# Altium PCB SAM4N_Xplained_Pro.PcbDoc (part 2 of 3)
Units mm, origin at the board's own origin, x right, y up, seen from the top; angles counter-clockwise.
Board outline 60 x 100 mm, 4 copper layers (Top Layer LF-signals, GND, POWER, Bottom Layer LF-signals), stack 1.602 mm thick; 127 components, 136 nets, 617 pads, 312 vias.
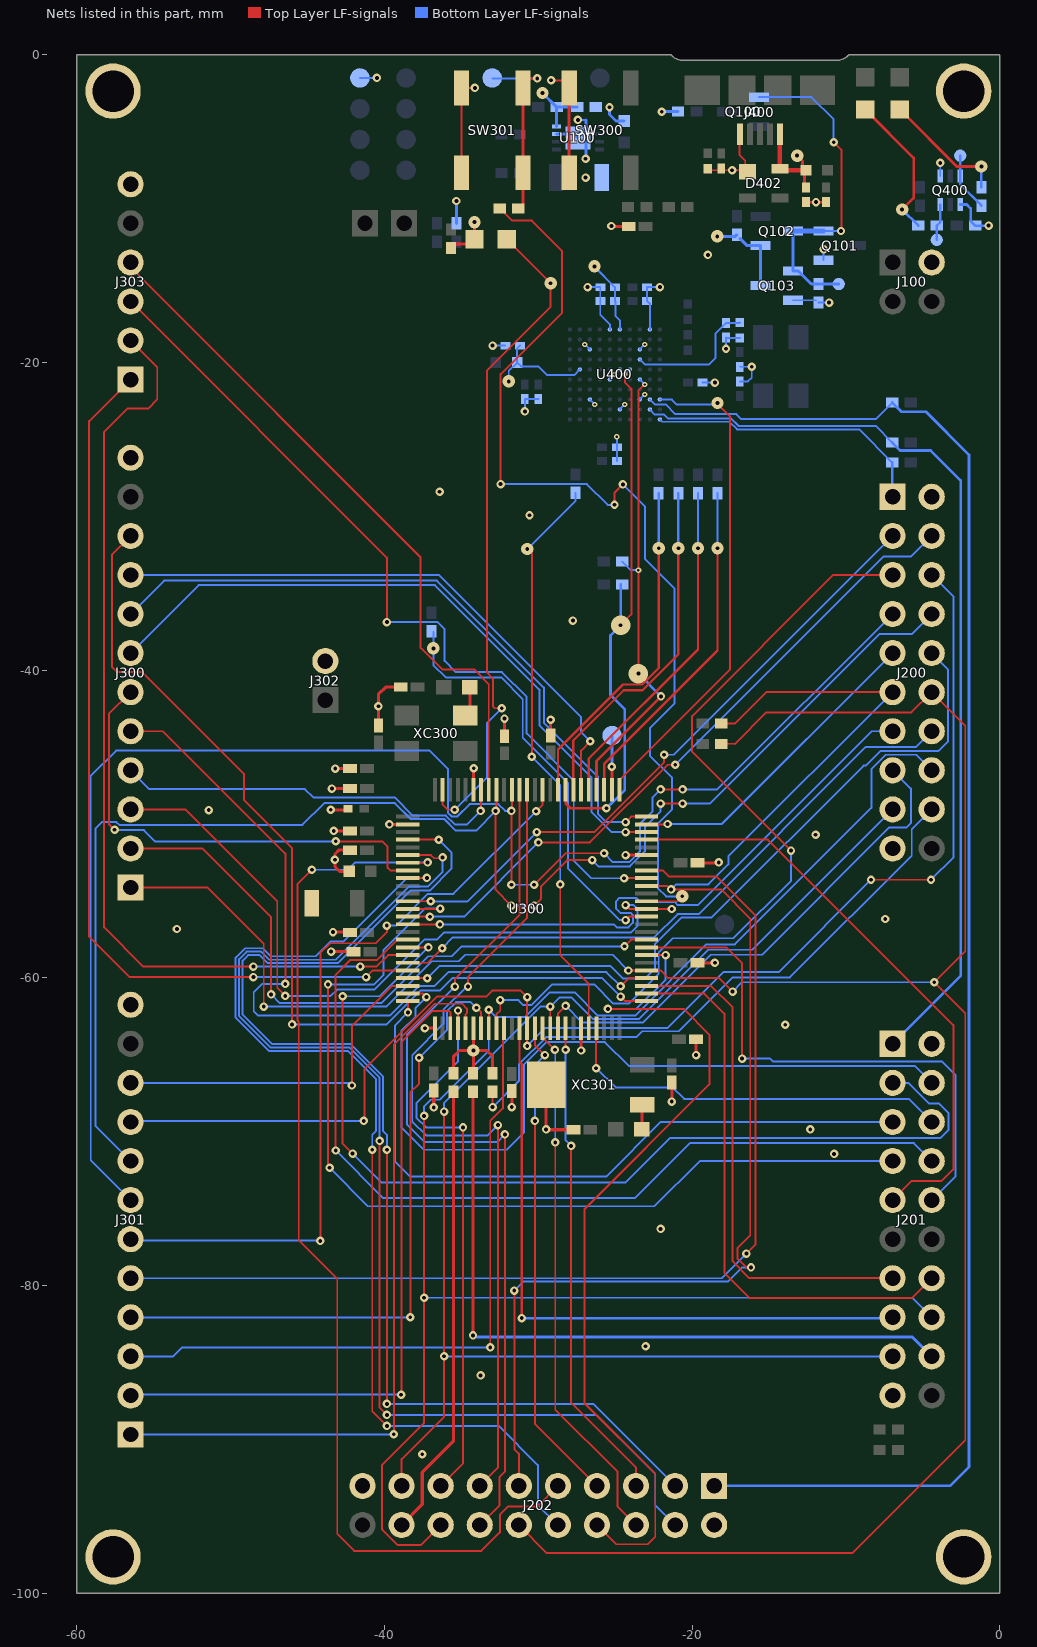
[diagram p4: the nets of this part, all layers, seen from the top]

## Via types
v1: diameter 0.55, hole 0.25, Top Layer LF-signals to Bottom Layer LF-signals, tented both sides, 201 vias
v2: diameter 0.55/0.8 (per signal layer), hole 0.25, Top Layer LF-signals to Bottom Layer LF-signals, tented top, 37 vias
v3: diameter 0.55, hole 0.25, Top Layer LF-signals to Bottom Layer LF-signals, 31 vias
v4: diameter 0.35, hole 0.15, Top Layer LF-signals to Bottom Layer LF-signals, tented both sides, 30 vias
v5: diameter 0.55, hole 0.25, Top Layer LF-signals to Bottom Layer LF-signals, tented top, 6 vias
v6: diameter 0.55/1.27 (per signal layer), hole 0.25, Top Layer LF-signals to Bottom Layer LF-signals, tented top, 3 vias
v7: diameter 0.38, hole 0.15, Top Layer LF-signals to Bottom Layer LF-signals, tented both sides, 2 vias
v8: diameter 0.35, hole 0.15, Top Layer LF-signals to Bottom Layer LF-signals, 1 vias
v9: diameter 0.38, hole 0.15, Top Layer LF-signals to Bottom Layer LF-signals, 1 vias

## Nets (pads, with @x,y where several pads share a name; then routed paths per layer and width w, separated by ;. In a path a pad name is that pad's centre, name@x,y a point inside that pad or via, vN(x,y) a via of type N, cw(c..) or ccw(c..) an arc to the next point about the centre after c; other vN are vias at no path point) (continued)
GND: C100.2 C101.2 C300.2 C301.2 C302.2 C303.2 C304.2 C305.2 C306.2 C307.2 C308.2 C309.2 C310.2 C311.2 C312.2 C313.2 C314.2 C315.2 C316.2 C321.2 C322.2 C323.2 C324.2 C400.2 C401.2 C402.2 C403.1 C404.2 C405.2 C406.2 C407.2 C408.2 C409.2 C410.2 C411.2 C412.2 C413.2 C414.2 C415.2 D402.1 J100.2@-4.43,-13.49 J200.2@-4.43,-28.73 J200.19@-6.97,-51.59 J201.2@-4.43,-64.29 J201.19@-6.97,-87.15 J202.2@-18.57,-95.57 J202.19@-41.43,-93.03 J300.12 J301.12 J302.2@-43.848,-39.41 J303.6 J400.5 pad.666 Q101.1 Q103.2 Q400.1 Q400.4 R100.1 R101.2 R104.1 R107.1 R413.1 R423.1 R424.1 SW300.1 SW300.2 SW301.1 SW301.2 TP400.1 U100.7 U100.9 U300.2 U300.26 U300.45 U300.70 U300.95 U400.B10 U400.C3 U400.C8 U400.E2 U400.E6 U400.F5 U400.F10 U400.H3 U400.H8 XC301.3 | length 90.6
  Top Layer LF-signals w0.125: SW301.1@-35,-7.65 SW301.2@-35,-2.15 v1(-34.125,-2.15) ; v1@-29.175,-1.675 -28,-1.675 SW300.2@-28,-2.15 ; R424.1@-19.025,-7.5 -17.45,-7.5 -17.401,-7.494 v1@-17.238,-7.475 ; v1(-17.4,-7.5) D402.1@-16.5,-7.5 ; J400.5@-16.914,-5.672 -16.914,-6.511 -16.55,-6.875 -16.55,-7.45 D402.1@-16.5,-7.5 ; D402.1@-16.475,-7.525 D402.1@-16.5,-7.5
  Top Layer LF-signals w0.175: C407.2@-12.6,-9.575 v1(-11.95,-9.575) C408.2@-11.3,-9.575
  Top Layer LF-signals w0.2: v1(-43.5,-49.075) -43.475,-49.1 C312.2@-42.297,-49.1 ; v1(-43.475,-58.3) C309.2@-42.025,-58.3 ; v1(-43.425,-47.7) C304.2@-42.05,-47.7 ; v1(-43.35,-57.025) C308.2@-42.248,-57.025 ; v1(-43.3,-50.45) C316.2@-42.05,-50.45 ; v1(-43.2,-46.4) C301.2@-42.05,-46.4 ; C306.2@-42.297,-53.075 -42.925,-53.075 -43.225,-52.775 v1(-43.225,-52.325) -43.225,-51.95 -42.975,-51.7 C307.2@-42.05,-51.7 ; C322.2@-40.4,-43.6 v1(-40.4,-42.35) -40.4,-41.575 -39.925,-41.1 C321.2@-38.95,-41.1 ; v1@-39.68,-50.02 U300.2@-38.48,-50.02 ; v1(-37.375,-63.275) U300.26@-36.725,-63.275 ; v1(-36.8,-68.425) C313.2@-36.8,-67.325 ; U300.95@-34.225,-47.765 -34.225,-46.4 v1(-34.2,-46.375) ; C302.2@-32.2,-44.3 v1(-32.2,-43.15) ; v1(-31.725,-68.4) C314.2@-31.725,-67.35 ; XC301.3@-29.5,-66.95 v1(-29.5,-69.85) -29.475,-69.875 C323.2@-27.725,-69.875 ; C303.2@-29.2,-44.25 v1(-29.2,-43.225) ; SW300.1@-28,-7.65 SW300.2@-28,-2.15 ; v3(-27.225,-64.725) U300.45@-27.225,-63.275 ; v1(-25.25,-11.125) -25.225,-11.15 C300.2@-24.125,-11.15 ; v1(-24.325,-52.02) U300.70@-22.97,-52.02 ; v1(-21.325,-68.05) C324.2@-21.325,-66.8 ; v1(-19.75,-65.025) C315.2@-19.75,-64 ; C311.2@-19.65,-59.025 v1(-18.525,-59.025) ; C305.2@-19.4,-52.525 -18.3,-52.525 v1(-18.275,-52.5)
  Bottom Layer LF-signals w0.125: TP400.1@-41.6,-1.5 v1(-40.5,-1.5) ; v1(-32.975,-18.9) C404.2@-32.15,-18.9 ; v1(-30.875,-23.175) C414.2@-30.875,-22.375 C413.2@-30,-22.375 ; v1(-27.425,-4.225) -26.9,-4.225 ; v4(-26.975,-18.825) U400.H8@-26.65,-19.15 ; v1(-26.8,-15.1) C405.2@-25.975,-15.1 C406.2@-25.975,-16 -25.975,-16.9 -25.35,-17.525 U400.F10@-25.35,-17.85 ; U400.H3@-26.65,-22.4 v4(-26.325,-22.725) ; U400.F5@-25.35,-21.1 v4(-25.025,-20.775) U400.E6@-24.7,-20.45 ; C415.2@-24.9,-26.4 C412.2@-24.9,-25.5 v4(-24.9,-24.825) ; U400.E2@-24.7,-23.05 v4(-24.375,-22.725) ; U400.C3@-23.4,-22.4 v4(-23.075,-22.075) ; U400.C8@-23.4,-19.15 v4(-23.075,-18.825) ; U400.B10@-22.75,-17.85 -22.75,-16.175 C410.2@-22.925,-16 C409.2@-22.925,-15.1 v1(-22.1,-15.1) ; C411.2@-19.325,-21.3 v1@-18.5,-21.3 ; v1(-17.8,-19.1) C402.2@-17.8,-18.375 -17.775,-18.4 R423.1@-16.9,-18.4 ; C400.2@-16.9,-21.225 -16.375,-21.225 -16.125,-20.975 v1(-16.125,-20.275) C401.2@-16.9,-20.275 ; Q103.2@-13.45,-15.95 R104.1@-11.95,-15.95 ; R104.1@-11.8,-16.1 v1(-11.1,-16.1) ; Q101.1@-11.45,-13.35 v1(-11.45,-12.65) ; Q400.1@-3.875,-7.875 v1@-3.875,-7.1
  Bottom Layer LF-signals w0.175: Q400.4@-2.575,-9.725 -2.15,-9.725 -1.9,-9.975 -1.9,-10.8 R413.1@-1.6,-11.1 v1(-0.725,-11.1)
  Bottom Layer LF-signals w0.2: R107.1@-35.325,-10.95 v1(-35.325,-9.5) ; U100.7@-28.825,-5.15 -27.675,-5.15 U100.9@-27.425,-5.4 ; v1@-26.9,-6.725 -26.9,-4.225 ; v1(-25.375,-3.4) -25.375,-3.875 -24.948,-4.302 C101.2@-24.425,-4.302 ; v1(-21.975,-3.7) -21.95,-3.675 R100.1@-20.925,-3.675
  other v1: -37.55,-90.975 -33.75,-85.85 -23.025,-83.95 -22.05,-76.325 -10.775,-71.45 -12.325,-69.85 -13.95,-63.05 -53.5,-56.825 -7.45,-56.175 -11.975,-50.7 -39.685,-50.025 -51.425,-49.1 -27.75,-36.775 -30.575,-29.925 -36.425,-28.4 -18.525,-21.3 -18.975,-13 -26.925,-7.975 -3.875,-7.025 -26.925,-6.75 -29.175,-1.65
ID1: J200.1@-6.97,-28.73 R409.1 U400.A1 | length 18.5
  Bottom Layer LF-signals w0.125: U400.A1@-22.1,-23.7 -21.95,-23.85 -17.582,-23.85 -17.082,-24.35 -9.15,-24.35 R409.1@-7,-26.5
  Bottom Layer LF-signals w0.175: R409.1@-7,-26.5 -7,-28.7 J200.1@-6.97,-28.73
ID2: J201.1@-6.97,-64.29 R402.1 U400.B2 | length 60.6
  Bottom Layer LF-signals w0.125: U400.B2@-22.75,-23.05 -22.42,-23.38 -21.82,-23.38 -21.575,-23.625 -17.489,-23.625 -16.989,-24.125 -8.075,-24.125 R402.1@-7,-25.2 ; J201.1@-6.978,-64.29 J201.1@-6.974,-64.286
  Bottom Layer LF-signals w0.175: R402.1@-7,-25.2 -6.475,-25.725 -4.5,-25.725 -2.55,-27.675 -2.55,-59.87 J201.1@-6.97,-64.29
ID3: J202.1@-18.57,-93.03 R401.1 U400.B3 | length 106
  Bottom Layer LF-signals w0.125: U400.B3@-22.75,-22.4 -22.425,-22.725 -21.725,-22.725 -21.1,-23.35 -17.125,-23.35 -16.8,-23.675 -8.075,-23.675 R401.1@-7,-22.6
  Bottom Layer LF-signals w0.175: J202.1@-18.57,-93.03 -3.23,-93.03 -2,-91.8 -2,-26 -4.8,-23.2 -6.4,-23.2 R401.1@-7,-22.6
INPUT_VOLTAGE_DETECTED: pad.3@-10.475,-14.9 Q100.1 Q101.2 Q102.3 Q103.1 R104.2 | length 22
  Top Layer LF-signals w0.125: v1(-10.8,-5.675) -10.3,-6.175 -10.3,-11.425 v1@-10.475,-11.425
  Bottom Layer LF-signals w0.125: Q100.1@-15.644,-2.75 -12.25,-2.75 -10.8,-4.2 v1(-10.8,-5.675) ; Q101.2@-11.45,-11.45 -10.5,-11.45 v1@-10.475,-11.425
  Bottom Layer LF-signals w0.175: R104.2@-11.8,-14.9 pad.3@-10.475,-14.9
  Bottom Layer LF-signals w0.2: Q102.3@-13.45,-11.45 Q103.1@-13.45,-14.05 -13.1,-14.05 -12.25,-14.9 R104.2@-11.8,-14.9
  Bottom Layer LF-signals w0.3: Q102.3@-13.45,-11.45 Q101.2@-11.45,-11.45
  other v1: -10.325,-11.45
JTAGSEL: TP302.1 U300.77 | length 3.5
  Top Layer LF-signals w0.2: U300.77@-25.225,-47.765 v5(-25.225,-46.275)
  Bottom Layer LF-signals w0.2: v5(-25.225,-46.275) -25.225,-44.275 TP302.1@-25.2,-44.25
NetC402_1: C402.1 R423.2 U400.C7 | length 8.7
  Bottom Layer LF-signals w0.125: U400.C7@-23.4,-19.8 -23.075,-20.125 -18.9,-20.125 -18.475,-19.7 -18.475,-18.1 C402.1@-17.8,-17.425 -16.925,-17.425 R423.2@-16.9,-17.4
NetC404_1: C404.1 L402.2 U400.J6 | length 7.2
  Bottom Layer LF-signals w0.125: v2(-31.925,-21.225) -31.925,-20.55 L402.2@-31.375,-20 ; C404.1@-31.2,-18.9 -31.375,-19.075 L402.2@-31.375,-20 ; U400.J6@-27.3,-20.45 -27.648,-20.797 -29.452,-20.797 -30,-20.25 -31.125,-20.25 L402.2@-31.375,-20
NetC405_1: C405.1 C406.1 U400.E10 | length 4.8
  Bottom Layer LF-signals w0.125: v2(-26.35,-13.75) -26.35,-13.775 C405.1@-25.025,-15.1 C406.1@-25.025,-16 -24.987,-16.038 -24.987,-16.963 -24.7,-17.25 U400.E10@-24.7,-17.85
NetC407_1: C407.1 D402.4 J400.1 L401.1 | length 5.8
  Top Layer LF-signals w0.2: D402.4@-14.314,-7.386 D402.4@-14.3,-7.4 D402.4@-14.2,-7.5 ; v2(-13.175,-6.55) -12.825,-6.9 -12.825,-7.375 L401.1@-12.7,-7.5 ; C407.1@-12.7,-8.725 L401.1@-12.7,-7.5 ; L401.1@-12.6,-7.5 L401.1@-12.7,-7.5
  Top Layer LF-signals w0.3: D402.4@-14.314,-7.386 J400.1@-14.314,-5.672 ; D402.4@-14.2,-7.5 L401.1@-12.7,-7.5
NetD301_2: D301.2 R302.1 | length 2.9
  Top Layer LF-signals w0.2: R302.1@-35.675,-12.55 -35.425,-12.3 -34.45,-12.3 D301.2@-34.15,-12 v2(-34.15,-10.875)
NetD400_1: D400.1 R411.2 | length 9.6
  Top Layer LF-signals w0.175: D400.1@-8.75,-3.55 -5.6,-6.7 -5.6,-9.3 v2(-6.35,-10.05)
  Bottom Layer LF-signals w0.175: v2(-6.35,-10.05) R411.2@-5.3,-11.1
NetD401_1: D401.1 R412.2 | length 8.2
  Top Layer LF-signals w0.175: D401.1@-6.5,-3.55 -2.8,-7.25 v2(-1.2,-7.25)
  Bottom Layer LF-signals w0.175: R412.2@-1.2,-8.6 v2(-1.2,-7.25)
NetJ306_2: J306.2 XC300.1 | length 2
  Top Layer LF-signals w0.2: XC300.1@-34.75,-42.95 -34.45,-42.65 J306.2@-34.45,-41.1
NetJ307_1: J307.1 XC301.1 | length 1.6
  Top Layer LF-signals w0.2: J307.1@-23.275,-69.85 -23.25,-69.825 XC301.1@-23.25,-68.25
NetQ102_1: Q102.1 Q103.3 R103.1 | length 5.5
  Bottom Layer LF-signals w0.2: v2(-18.375,-11.8) -17.2,-11.8 R103.1@-17.1,-11.7 ; R103.1@-16.9,-11.925 -16.425,-12.4 Q102.1@-15.55,-12.4 Q103.3@-15.55,-15
NetQ400_3: pad.3@-2.575,-6.55 Q400.3 R412.1 | length 3.8
  Bottom Layer LF-signals w0.15: Q400.3@-2.575,-7.875 -2.575,-8.425 R412.1@-1.2,-9.8
  Bottom Layer LF-signals w0.175: Q400.3@-2.575,-7.875 pad.3@-2.575,-6.55
NetQ400_6: pad.3@-4.1,-12.025 Q400.6 R411.1 | length 2.4
  Bottom Layer LF-signals w0.15: pad.3@-4.1,-12.025 R411.1@-4.1,-11.1 -3.875,-10.875 Q400.6@-3.875,-9.725
NetR101_1: R101.1 R102.2 U100.8 | length 3.9
  Bottom Layer LF-signals w0.2: v2(-29.725,-2.475) R102.2@-28.8,-3.4 ; U100.8@-28.825,-4.65 -28.825,-3.425 R102.2@-28.8,-3.4 ; R101.1@-27.475,-3.4 R102.2@-28.8,-3.4
NetR301_1: R301.1 SW301.3 SW301.4 TP303.1 | length 11.2
  Top Layer LF-signals w0.125: SW301.4@-30.8,-1.525 v1(-30.075,-1.525)
  Top Layer LF-signals w0.2: R301.1@-31,-9.7 SW301.3@-31,-7.65 SW301.4@-31,-2.15
  Bottom Layer LF-signals w0.125: TP303.1@-32.975,-1.525 v1(-30.075,-1.525)
PA0_WKUP0: J200.9@-6.97,-38.89 U300.74 | length 20.6
  Top Layer LF-signals w0.125: U300.74@-22.97,-50.02 -21.62,-50.02 v1(-21.6,-50)
  Bottom Layer LF-signals w0.125: v1(-21.6,-50) -18.08,-50 J200.9@-6.97,-38.89
PA1_WKUP1: J201.9@-6.97,-74.45 U300.72 | length 39.1
  Top Layer LF-signals w0.125: U300.72@-22.97,-51.02 -15.08,-51.02 -3.025,-63.075 -3.025,-72.45 -3.775,-73.2 -5.725,-73.2 -6.975,-74.45 J201.9@-6.97,-74.45
PA2_DATRG: J303.3 U300.67 | length 57
  Top Layer LF-signals w0.125: J303.3@-56.508,-16.03 -39.85,-32.688 v1(-39.85,-36.875) ; v1@-24.275,-53.525 -24.27,-53.52 U300.67@-22.97,-53.52
  Bottom Layer LF-signals w0.125: v1(-39.85,-36.875) -36.55,-36.875 -36.1,-37.325 -36.1,-39.4 -35.375,-40.125 -32.375,-40.125 -30.763,-41.737 -30.763,-44.113 -27.7,-47.175 -27.7,-52.375 -26.55,-53.525 v1(-24.425,-53.525)
PA3_TWD0: J200.11@-6.97,-41.43 J202.11@-31.27,-93.03 R312.1 U300.66 | length 92
  Top Layer LF-signals w0.125: v1(-31.562,-80.337) -31.562,-90.637 -31.27,-90.93 J202.11@-31.27,-93.03 ; U300.66@-22.97,-54.02 -21.605,-54.02 v1(-21.375,-54.25) -18.125,-54.25 -16.225,-56.15 -16.225,-76.725 -17.05,-77.55 -17.05,-78.275 -16.5,-78.825 v1(-16.175,-78.825) ; R312.1@-18.114,-43.46 -17.218,-43.46 ; -17.214,-43.464 -15.18,-41.43 J200.11@-6.97,-41.43
  Bottom Layer LF-signals w0.125: v1(-31.562,-80.337) -30.98,-79.755 -17.686,-79.755 -16.756,-78.825 v1(-16.175,-78.825) ; v1(-21.375,-54.25) -21.05,-53.925 -18.95,-53.925 -17.65,-52.625 -17.65,-52.11 J200.11@-6.97,-41.43
PA4_TWCK0: J200.12@-4.43,-41.43 J202.12@-31.27,-95.57 J300.1 R320.1 U300.55 | length 159.6
  Top Layer LF-signals w0.125: J300.1@-56.508,-54.13 -51.495,-54.13 -47.85,-57.775 v1(-47.85,-61.875) ; J202.12@-31.27,-95.57 -29.44,-97.4 -9.6,-97.4 -2.25,-90.05 -2.25,-62.3 v3(-4.263,-60.288) -2.25,-58.275 -2.25,-43.61 J200.12@-4.43,-41.43 -5.75,-42.75 -15.175,-42.75 -17.211,-44.786 ; v1@-24.155,-59.52 v1(-24.15,-59.525) ; v1@-24.15,-59.52 U300.55@-22.97,-59.52 -22.055,-59.52 -21.575,-60 -18.275,-60 v3(-17.375,-60.9) ; R320.1@-18.114,-44.785 -17.212,-44.785
  Bottom Layer LF-signals w0.125: v1(-47.85,-61.875) -39.882,-61.875 -36.932,-58.925 -35.175,-58.925 -34.75,-58.5 -25.175,-58.5 v1(-24.15,-59.525) ; v3(-17.375,-60.9) -16.763,-60.288 v3(-4.263,-60.288)
PA5_RXD0: J201.13@-6.97,-79.53 U300.53 | length 33.5
  Top Layer LF-signals w0.125: U300.53@-22.97,-60.52 -18.78,-60.52 -17.375,-61.925 -17.375,-78.425 -16.275,-79.525 -6.975,-79.525 J201.13@-6.97,-79.53
PA6_TXD0: J201.14@-4.43,-79.53 U300.52 | length 37.2
  Top Layer LF-signals w0.125: U300.52@-22.97,-61.02 -19.205,-61.02 -17.9,-62.325 -17.9,-79.175 -16.25,-80.825 -5.725,-80.825 J201.14@-4.43,-79.53
PA9_URXD0: R414.1 U300.46 | length 37.8
  Top Layer LF-signals w0.125: v2(-30.725,-32.125) -30.425,-32.425 v3(-30.425,-45.625) ; v3(-28.575,-53.925) -28.575,-58.525 -26.725,-60.375 U300.46@-26.725,-63.275
  Bottom Layer LF-signals w0.125: v2(-30.725,-32.125) -27.575,-28.975 R414.1@-27.575,-28.475 ; v3(-30.425,-45.625) -28.575,-47.475 v3(-28.575,-53.925)
PA11_NPCS0: J200.15@-6.97,-46.51 U300.42 | length 33.9
  Top Layer LF-signals w0.125: U300.42@-28.725,-63.275 -28.725,-62.325 v1(-28.225,-61.825)
  Bottom Layer LF-signals w0.125: v1(-28.225,-61.825) -27.137,-62.913 -23.213,-62.913 -18.8,-58.5 -15.45,-58.5 -7.175,-50.225 -6.05,-50.225 -5.775,-49.95 -5.775,-47.705 J200.15@-6.97,-46.51
PA12_SPI_MISO: J200.17@-6.97,-49.05 J201.17@-6.97,-84.61 J202.17@-38.89,-93.03 U300.41 | length 94.8
  Top Layer LF-signals w0.125: J202.17@-38.89,-93.03 -38.89,-91.29 -36.125,-88.525 v1(-36.125,-84.6) v1(-36.125,-68.7) ; U300.41@-29.225,-63.275 v1(-29.225,-61.875)
  Bottom Layer LF-signals w0.125: v1(-36.125,-84.6) -36.115,-84.61 J201.17@-6.97,-84.61 ; v1(-36.125,-68.7) -36.125,-68.125 -29.875,-61.875 v1(-29.225,-61.875) -28.625,-61.275 -27.85,-61.275 -26.437,-62.688 -23.462,-62.688 -18.95,-58.175 -16.095,-58.175 J200.17@-6.97,-49.05
PA13_SPI_MOSI: J200.16@-4.43,-46.51 J201.16@-4.43,-82.07 J202.16@-36.35,-95.57 U300.33 | length 115.7
  Top Layer LF-signals w0.125: v1(-37.425,-68.975) v1(-37.425,-80.8) -37.425,-88.925 -40.175,-91.675 -40.175,-95.85 -39.15,-96.875 -37.655,-96.875 J202.16@-36.35,-95.57 ; U300.33@-33.225,-63.275 v1(-33.225,-62.075)
  Bottom Layer LF-signals w0.125: v1(-37.425,-80.8) -5.7,-80.8 J201.16@-4.43,-82.07 ; v1(-37.425,-68.975) -37.425,-68.35 -37,-67.925 -36.425,-67.925 -33.225,-64.725 v1(-33.225,-62.075) -32.748,-62.552 -30.87,-62.552 -29.268,-60.95 -27.65,-60.95 -26.137,-62.463 -23.713,-62.463 -19.075,-57.825 -17.225,-57.825 -8.35,-48.95 -8.35,-46.425 -7.422,-45.497 -5.443,-45.497 J200.16@-4.43,-46.51
PA14_SPI_SCK: R304.2 R305.2 R306.2 U300.31 | length 8
  Top Layer LF-signals w0.2: R306.2@-35.525,-66.2 -35.525,-65.125 -35.125,-64.725 v2(-34.225,-64.725) ; R305.2@-34.25,-66.2 -34.225,-66.175 v2(-34.225,-64.725) ; U300.31@-34.225,-63.275 v2(-34.225,-64.725) ; R304.2@-32.975,-66.2 -32.975,-65.1 -33.35,-64.725 v2(-34.225,-64.725)
PA14_SPI_SCK_EXT1: J200.18@-4.43,-49.05 R304.1 | length 39.2
  Top Layer LF-signals w0.125: v1(-32.975,-68.4) R304.1@-32.975,-67.4
  Bottom Layer LF-signals w0.125: v1(-32.975,-68.4) -31.25,-66.675 -31.25,-65.6 -29.5,-63.85 -23.625,-63.85 -23.25,-63.475 -20.875,-63.475 -17.375,-59.975 -13.65,-59.975 -5.725,-52.05 -5.725,-50.345 J200.18@-4.43,-49.05
PA14_SPI_SCK_EXT2: J201.18@-4.43,-84.61 R305.1 | length 46.3
  Top Layer LF-signals w0.2: v1@-34.25,-83.35 R305.1@-34.25,-67.4
  Bottom Layer LF-signals w0.2: v1@-34.25,-83.35 -5.69,-83.35 J201.18@-4.43,-84.61
  other v1: -34.25,-83.25
PA14_SPI_SCK_EXT3: J202.18@-38.89,-95.57 R306.1 | length 29.6
  Top Layer LF-signals w0.2: J202.18@-38.89,-95.57 -37.55,-94.23 -37.55,-92.15 -35.525,-90.125 R306.1@-35.525,-67.4
PA15_UTXD2: J301.1 U300.30 | length 49.8
  Top Layer LF-signals w0.125: v1(-39.4,-89.675) -39.375,-89.7 -39.375,-64.325 -36.738,-61.687 -34.963,-61.687 -34.65,-62 -34.65,-62.3 -34.725,-62.375 U300.30@-34.725,-63.275
  Bottom Layer LF-signals w0.125: J301.1@-56.508,-89.69 -56.493,-89.675 v1(-39.4,-89.675)
PA16_URXD2: J301.2 U300.28 | length 45.6
  Top Layer LF-signals w0.125: v1(-38.925,-87.1) -38.9,-87.075 -38.9,-64.175 -36.875,-62.15 -35.825,-62.15 -35.725,-62.25 U300.28@-35.725,-63.275
  Bottom Layer LF-signals w0.125: J301.2@-56.508,-87.15 -56.458,-87.1 v1(-38.925,-87.1)
PA17_AD0: J200.3@-6.97,-31.27 U300.12 | length 41.6
  Top Layer LF-signals w0.125: U300.12@-38.48,-55.02 -37.005,-55.02 v1(-37,-55.025) ; v1(-30.102,-50.527) -26.352,-50.527 -21.825,-46 v1(-21.825,-45.5)
  Bottom Layer LF-signals w0.125: v1(-37,-55.025) -34.6,-55.025 v1(-30.102,-50.527) ; v1(-21.825,-45.5) -21.2,-45.5 J200.3@-6.97,-31.27
PA18_AD1: J200.4@-4.43,-31.27 U300.14 | length 44.3
  Top Layer LF-signals w0.125: U300.14@-38.48,-56.02 -37.07,-56.02 -37.065,-56.025 v1(-37.05,-56.025) ; v1(-30,-51.2) -26.65,-51.2 -21.6,-46.15 v1(-21.1,-46.15)
  Bottom Layer LF-signals w0.125: v1(-37.05,-56.025) -34.825,-56.025 v1(-30,-51.2) ; v1(-21.1,-46.15) -7.55,-32.6 -5.76,-32.6 J200.4@-4.43,-31.27
PA19_AD2: J201.3@-6.97,-66.83 U300.18 | length 65.4
  Top Layer LF-signals w0.125: v1(-42.725,-61.2) -42.725,-70.775 v1(-42.075,-71.425) ; U300.18@-38.48,-58.02 -37.305,-58.02 -37.15,-58.175 v1(-37.15,-58.025)
  Bottom Layer LF-signals w0.125: v1(-42.725,-61.2) -40.325,-61.2 v1(-37.15,-58.025) ; v1(-42.075,-71.425) -40.2,-73.3 -24.325,-73.3 -21.425,-70.4 -3.85,-70.4 -3.325,-69.875 -3.325,-68.8 -3.95,-68.175 -4.6,-68.175 -5.945,-66.83 J201.3@-6.97,-66.83
PA20_AD3: J201.4@-4.43,-66.83 U300.24 | length 52.1
  Top Layer LF-signals w0.125: U300.24@-38.48,-61.02 -37.505,-61.02 v1(-37.275,-61.25)
  Bottom Layer LF-signals w0.125: v1(-37.275,-61.25) -37.975,-61.95 -37.975,-62.525 -38.9,-63.45 -38.9,-69.725 -37.45,-71.175 -32.05,-71.175 -30.925,-70.05 -30.925,-65.625 -29.475,-64.175 -25.675,-64.175 -24.125,-65.725 -5.535,-65.725 J201.4@-4.43,-66.83
PA21_RXD1: J200.13@-6.97,-43.97 U300.15 | length 40
  Top Layer LF-signals w0.125: U300.15@-38.48,-56.52 -36.405,-56.52 v1(-36.4,-56.525)
  Bottom Layer LF-signals w0.125: v1(-36.4,-56.525) -25.1,-56.525 -24.9,-56.725 -24.15,-56.725 -23.85,-56.425 -23.85,-55.925 -24,-55.775 -24.675,-55.775 -24.95,-55.5 -24.95,-55.025 -24.725,-54.8 -23.625,-54.8 -23.338,-55.087 -21.113,-55.087 -20.925,-55.275 -19.625,-55.275 -8.32,-43.97 J200.13@-6.97,-43.97
PA22_TXD1: J200.14@-4.43,-43.97 U300.20 | length 40.3
  Top Layer LF-signals w0.125: U300.20@-38.48,-59.02 -37.195,-59.02 v1(-36.25,-58.075)
  Bottom Layer LF-signals w0.125: v1(-36.25,-58.075) -35.55,-57.375 -22.475,-57.375 -20.952,-55.852 -19.577,-55.852 -8.708,-44.983 -5.443,-44.983 J200.14@-4.43,-43.97
PA23_GPIO: J200.10@-4.43,-38.89 U300.22 | length 49.3
  Top Layer LF-signals w0.125: U300.22@-38.48,-60.02 -37.23,-60.02 v1(-37.225,-60.025)
  Bottom Layer LF-signals w0.125: v1(-37.225,-60.025) -36.425,-59.225 -25.325,-59.225 -24.513,-60.037 -23.062,-60.037 -22.425,-59.4 -22.425,-57.821 -20.681,-56.077 -18.727,-56.077 -8.85,-46.2 -8.7,-46.2 -7.75,-45.25 -3.975,-45.25 -3.375,-44.65 -3.375,-39.945 J200.10@-4.43,-38.89
PA24_GPIO: J200.5@-6.97,-33.81 U300.34 | length 56.4
  Top Layer LF-signals w0.125: U300.34@-32.725,-63.275 -32.725,-62.375 -32.475,-62.125 v1(-32.475,-61.45) ; v1(-13.575,-51.725) -20.008,-45.292 -20.008,-42.983 -10.835,-33.81 J200.5@-6.97,-33.81
  Bottom Layer LF-signals w0.125: v1(-32.475,-61.45) -31.3,-61.45 -30.975,-61.775 -30.45,-61.775 -29.1,-60.425 -26.375,-60.425 -25.125,-61.675 -24.125,-61.675 -22.175,-59.725 -22.175,-58.35 -21.25,-57.425 -17.325,-57.425 -13.575,-53.675 v1(-13.575,-51.725)
PA25_GPIO: J200.6@-4.43,-33.81 J301.9 U300.38 | length 86.3
  Top Layer LF-signals w0.125: v1(-41.35,-69.3) -41.3,-69.25 -41.3,-65.925 -36.6,-61.225 -33.4,-61.225 -33,-60.825 -31.15,-60.825 v1(-30.725,-61.25) U300.38@-30.725,-63.275 v3@-30.725,-64.375 ; v3(-8.375,-53.625) v3(-4.475,-53.625)
  Bottom Layer LF-signals w0.125: J301.9@-56.508,-69.37 -56.438,-69.3 v1(-41.35,-69.3) ; v3(-30.725,-64.425) -29.575,-63.275 -23.368,-63.275 -23.343,-63.25 -21.6,-63.25 -17.975,-59.625 -14.375,-59.625 v3(-8.375,-53.625) ; v3(-4.475,-53.625) -3,-52.15 -3,-35.24 J200.6@-4.43,-33.81
PA26_TIOA2: J202.7@-26.19,-93.03 U300.39 | length 32
  Top Layer LF-signals w0.125: v1(-30.225,-69.3) -30.225,-88.995 J202.7@-26.19,-93.03 ; U300.39@-30.225,-63.275 -30.225,-64.375 v1(-29.575,-65.025)
  Bottom Layer LF-signals w0.125: v1(-30.225,-69.3) -30.225,-65.675 v1(-29.575,-65.025)
PA27_TIOB2: J202.8@-26.19,-95.57 U300.57 | length 57.1
  Top Layer LF-signals w0.125: J202.8@-26.19,-95.57 -24.935,-96.825 -22.875,-96.825 -22.4,-96.35 -22.4,-92.25 -27,-87.65 -27,-75.05 -18.875,-66.925 -18.875,-63.7 -20.55,-62.025 v1(-25.475,-62.025) ; U300.57@-22.97,-58.52 v1(-21.725,-58.52)
  Bottom Layer LF-signals w0.125: v1(-25.475,-62.025) -23.625,-62.025 -21.725,-60.125 v1(-21.725,-58.52)
PA28_TCLK1: J300.2 U300.59 | length 42.4
  Top Layer LF-signals w0.125: J300.2@-56.508,-51.59 -51.835,-51.59 -47.375,-56.05 v1(-47.375,-61.075) ; v1(-24.4,-57.95) -23.97,-57.52 U300.59@-22.97,-57.52
  Bottom Layer LF-signals w0.125: v1(-47.375,-61.075) -46.8,-61.65 -40.2,-61.65 -37.15,-58.6 -35.632,-58.6 -34.982,-57.95 v1(-24.4,-57.95)
PA29_TCLK2: J300.3 U300.63 | length 48.2
  Top Layer LF-signals w0.125: J300.3@-56.508,-49.05 -52.95,-49.05 -46.975,-55.025 -46.975,-60.65 v1(-46.45,-61.175) ; v1(-24.325,-55.275) -24.08,-55.52 U300.63@-22.97,-55.52 -21.33,-55.52 v1(-21.325,-55.525)
  Bottom Layer LF-signals w0.125: v1(-46.45,-61.175) -43.5,-61.175 -43.087,-60.762 -40.662,-60.762 -37.4,-57.5 -36.575,-57.5 -36.125,-57.05 -23.975,-57.05 -23.55,-56.625 -23.55,-55.525 -23.8,-55.275 v1(-24.325,-55.275)
PA30_WKUP11: R301.2 U300.64 | length 65
  Top Layer LF-signals w0.125: R301.2@-32.5,-9.975 -31.7,-10.775 -30.425,-10.775 -28.45,-12.75 -28.45,-16.75 -32.45,-20.75 v1(-32.45,-27.9) ; v3(-25.05,-29.25) -25.05,-28.475 v3(-24.5,-27.925) ; U300.64@-22.97,-55.02 -20.97,-55.02 v2(-20.65,-54.7)
  Bottom Layer LF-signals w0.125: v1(-32.45,-27.9) -26.85,-27.9 -25.5,-29.25 v3(-25.05,-29.25) ; v3(-24.5,-27.925) -23.075,-29.35 -23.075,-32.75 -21.15,-34.675 -21.15,-42.175 -22.75,-43.775 -22.75,-45.55 -21.3,-47 -21.3,-49.05 -22.225,-49.975 -22.225,-54.175 -21.7,-54.7 v2(-20.65,-54.7)
PA31_PCK2: J300.9 U300.81 | length 38.3
  Top Layer LF-signals w0.125: U300.81@-27.225,-47.765 -27.225,-45.225 v1(-26.625,-44.625)
  Bottom Layer LF-signals w0.125: J300.9@-56.508,-33.81 -36.49,-33.81 -27.225,-43.075 -27.225,-44.025 v1(-26.625,-44.625)
PB2_WKUP12: J202.9@-28.73,-93.03 U300.7 | length 70.9
  Top Layer LF-signals w0.125: v1(-44.725,-52.975) -45.65,-53.9 -45.65,-62.769 -45.575,-62.844 -45.575,-63.281 -45.575,-77.075 -43.075,-79.575 -43.075,-96.15 -41.975,-97.25 -33.7,-97.25 -32.5,-96.05 -32.5,-94.9 -31.975,-94.375 -30.075,-94.375 J202.9@-28.73,-93.03 ; U300.7@-38.48,-52.52 -37.22,-52.52 v1(-37.2,-52.5)
  Bottom Layer LF-signals w0.125: v1(-44.725,-52.975) -42.375,-52.975 -41.9,-52.5 v1(-37.2,-52.5)
PB3_GPIO: J202.10@-28.73,-95.57 U300.9 | length 69.3
  Top Layer LF-signals w0.125: v1(-40.8,-71.175) -40.8,-88.175 v1(-39.85,-89.125) ; U300.9@-38.48,-53.52 -37.27,-53.52 v1(-37.25,-53.5)
  Bottom Layer LF-signals w0.125: v1(-40.8,-71.175) -40.8,-70.2 -40.55,-69.95 -40.55,-66.6 -42.4,-64.75 -47.511,-64.75 -49.675,-62.586 -49.675,-58.689 -49.061,-58.075 -47.925,-58.075 -47.4,-58.6 -44.475,-58.6 -43.525,-57.65 -42.675,-57.65 -38.525,-53.5 v1(-37.25,-53.5) ; v1(-39.85,-89.125) -32.575,-89.125 -30.025,-91.675 -30.025,-94.275 J202.10@-28.73,-95.57
PB4_PWM2: J300.10 U300.51 | length 62.9
  Top Layer LF-signals w0.125: J300.10@-56.508,-31.27 -57.725,-32.487 -57.725,-39.775 -57.375,-40.125 -55.75,-40.125 -49.125,-46.75 -49.125,-48.45 -46.012,-51.563 v1(-46.012,-63.025) ; v1(-24.65,-61.225) -24.355,-61.52 U300.51@-22.97,-61.52
  Bottom Layer LF-signals w0.125: v1@-45.975,-63.025 -39.869,-63.025 -37.656,-60.812 -36.387,-60.812 -35.6,-60.025 -25.85,-60.025 v1(-24.65,-61.225)
PB5_TRACE: U300.76 U400.A3 | length 32.4
  Top Layer LF-signals w0.125: U300.76@-24.725,-47.765 -24.725,-47.125 -24.717,-47.125 -17.55,-39.958 -17.55,-23.5 -18.351,-22.699 v2(-18.351,-22.626)
  Bottom Layer LF-signals w0.125: U400.A3@-22.1,-22.4 -21.325,-22.4 -21.325,-22.425 -21.025,-22.725 -18.375,-22.725 -18.351,-22.701 v2(-18.351,-22.626)
PB6_SWDIO: R322.1 U300.79 U400.C5 | length 30.6
  Top Layer LF-signals w0.125: v6(-23.498,-40.225) -23.498,-21.848 v4(-23.075,-21.425)
  Top Layer LF-signals w0.175: U300.79@-26.225,-47.765 -26.225,-45.9 v5@-22.027,-41.702
  Bottom Layer LF-signals w0.125: R322.1@-24.55,-32.95 -24,-33.5 v9(-23.5,-33.5) ; U400.C5@-23.4,-21.1 v4(-23.075,-21.425)
  Bottom Layer LF-signals w0.175: v6(-23.498,-40.225) -22.026,-41.697 v5(-22.026,-41.702)
PB7_SWCLK: R321.1 U300.83 U400.D6 | length 36.6
  Top Layer LF-signals w0.125: v6(-24.65,-37.075) -23.948,-36.373 -23.948,-21.702 -24.375,-21.275 v4(-24.375,-20.775)
  Top Layer LF-signals w0.175: U300.83@-28.225,-47.765 -28.225,-48.675 -27.925,-48.975 v1(-25.575,-48.975)
  Bottom Layer LF-signals w0.125: v4(-24.375,-20.775) U400.D6@-24.05,-20.45
  Bottom Layer LF-signals w0.175: v1(-25.575,-48.975) -24.378,-47.777 -24.378,-42.55 -25.308,-41.619 -25.308,-37.733 v6(-24.65,-37.075) R321.1@-24.65,-34.425
PB10_URXD3: J202.13@-33.81,-93.03 U300.88 | length 54.9
  Top Layer LF-signals w0.125: v3(-34.575,-60.575) -34.575,-59.95 -30.725,-56.1 U300.88@-30.725,-47.765 ; J202.13@-33.81,-93.03 -32.625,-91.845 v3(-32.625,-69.575)
  Bottom Layer LF-signals w0.125: v3(-34.575,-60.575) -34.668,-60.575 -36.175,-62.082 -36.175,-63 -38.2,-65.025 -38.2,-69.35 -37.3,-70.25 -33.3,-70.25 v3(-32.625,-69.575)
PB11_UTXD3: J202.14@-33.81,-95.57 U300.89 | length 57.9
  Top Layer LF-signals w0.125: v3(-35.425,-60.575) -35.425,-60.093 -31.225,-55.893 U300.89@-31.225,-47.765 ; J202.14@-33.81,-95.57 -32.525,-94.285 -32.525,-92.45 -32.175,-92.1 v3(-32.175,-70.175)
  Bottom Layer LF-signals w0.125: v3(-35.425,-60.575) -38.55,-63.7 -38.55,-69.525 -37.4,-70.675 -32.675,-70.675 v3(-32.175,-70.175)
PB13_DAC0: J303.4 U300.93 | length 45.1
  Top Layer LF-signals w0.125: J303.4@-56.508,-13.49 -56.448,-13.55 -56.448,-13.877 -37.65,-32.675 -37.65,-38.55 -36.25,-39.95 -34.175,-39.95 -33.225,-40.9 U300.93@-33.225,-47.765
PB14_PWM3: D301.1 U300.99 | length 43.8
  Top Layer LF-signals w0.125: U300.99@-36.225,-47.765 -36.225,-48.75 -35.9,-49.075 v5(-35.45,-49.075) ; v1(-32.375,-42.475) -32.825,-42.475 -32.95,-42.35 -32.95,-40.55 -33.35,-40.15 -33.35,-20.525 -29.2,-16.375 v2(-29.2,-14.85) D301.1@-32.05,-12
  Bottom Layer LF-signals w0.125: v5(-35.45,-49.075) -33.325,-46.95 -33.325,-43.425 v1(-32.375,-42.475)
PC0_GPIO: J201.5@-6.97,-69.37 U300.25 | length 45
  Top Layer LF-signals w0.125: U300.25@-38.48,-61.52 -38.48,-62.245 v1(-38.475,-62.25)
  Bottom Layer LF-signals w0.125: v1(-38.475,-62.25) -39.325,-63.1 -39.325,-71.925 -38.325,-72.925 -25.6,-72.925 -22.045,-69.37 J201.5@-6.97,-69.37
PC1_GPIO: J201.6@-4.43,-69.37 U300.47 | length 25.9
  Top Layer LF-signals w0.125: v1(-26.25,-65.875) -26.25,-63.3 U300.47@-26.225,-63.275
  Bottom Layer LF-signals w0.125: v1(-26.25,-65.875) -26.225,-65.875 -24.975,-67.125 -21.281,-67.125 -20.531,-67.875 -5.925,-67.875 J201.6@-4.43,-69.37
PC2_GPIO: J202.5@-23.65,-93.03 U300.43 | length 31.7
  Top Layer LF-signals w0.125: v1(-28.225,-64.675) U300.43@-28.225,-63.275 ; v1(-27.875,-70.925) -27.875,-87.625 -23.65,-91.85 J202.5@-23.65,-93.03
  Bottom Layer LF-signals w0.125: v1(-28.225,-64.675) -28.225,-70.575 v1(-27.875,-70.925)
PC3_GPIO: J202.6@-23.65,-95.57 U300.40 | length 34.8
  Top Layer LF-signals w0.125: U300.40@-29.725,-63.275 -29.725,-63.894 -28.944,-64.675 v1(-28.925,-64.675) ; v1(-28.9,-70.7) -28.9,-88.075 -24.85,-92.125 -24.85,-94.37 J202.6@-23.65,-95.57
  Bottom Layer LF-signals w0.125: v1(-28.925,-64.675) -28.9,-64.7 v1(-28.9,-70.7)
PC4_NPCS1: J201.15@-6.97,-82.07 U300.37 | length 43
  Top Layer LF-signals w0.15: U300.37@-31.225,-63.275 -31.225,-65.475 -31.075,-65.625 v1(-31.075,-82.125)
  Bottom Layer LF-signals w0.15: v1(-31.075,-82.125) -7.025,-82.125 J201.15@-6.97,-82.07
PC5_GPIO: J301.3 U300.35 | length 44.7
  Top Layer LF-signals w0.125: v1(-33.125,-84.025) -33.125,-69.3 -32.311,-68.486 -32.311,-63.361 U300.35@-32.225,-63.275
  Bottom Layer LF-signals w0.125: J301.3@-56.508,-84.61 -53.735,-84.61 -53.15,-84.025 v1(-33.125,-84.025)
PC6_GPIO: J301.4 U300.32 | length 42.8
  Top Layer LF-signals w0.125: v1(-38.325,-82.07) -38.325,-67.45 -37.75,-66.875 v1(-37.75,-65.2) ; v1(-34.025,-61.95) -33.725,-62.25 U300.32@-33.725,-63.275
  Bottom Layer LF-signals w0.125: J301.4@-56.508,-82.07 v1(-38.325,-82.07) ; v1(-37.75,-65.2) -35.95,-63.4 -35.95,-62.175 -35.35,-61.575 -34.4,-61.575 v1(-34.025,-61.95)
PC7_NPCS2: J202.15@-36.35,-93.03 U300.29 | length 36.4
  Top Layer LF-signals w0.125: J202.15@-36.35,-93.03 -34.9,-91.58 v1(-34.9,-69.725) ; U300.29@-35.225,-63.275 v1(-35.225,-62.125)
  Bottom Layer LF-signals w0.125: v1(-35.225,-62.125) -35.225,-65.45 -37.925,-68.15 -37.925,-69.094 -37.294,-69.725 v1(-34.9,-69.725)
PC8_GPIO: J201.10@-4.43,-74.45 U300.58 | length 35.9
  Top Layer LF-signals w0.125: U300.58@-22.97,-58.02 -17.78,-58.02 -16.75,-59.05 v1(-16.75,-65.25)
  Bottom Layer LF-signals w0.125: v1(-16.75,-65.25) -14.925,-65.25 -14.725,-65.45 -3.75,-65.45 -2.875,-66.325 -2.875,-72.895 J201.10@-4.43,-74.45
PC9_RXD2: R415.1 U300.62 | length 27.7
  Top Layer LF-signals w0.125: v5(-24.325,-56.25) -24.095,-56.02 U300.62@-22.97,-56.02
  Bottom Layer LF-signals w0.125: R415.1@-36.825,-37.5 -36.825,-39.668 -36.018,-40.475 -32.425,-40.475 -31.013,-41.887 -31.013,-44.387 -28.075,-47.325 -28.075,-52.875 -24.7,-56.25 v5(-24.325,-56.25)
  other v2: -36.825,-38.584
PC11_GPIO: J301.5 U300.68 | length 71.2
  Top Layer LF-signals w0.125: U300.68@-22.97,-53.02 -21.905,-53.02 -21.525,-53.4 -18.425,-53.4 -15.875,-55.95 -15.875,-77.325 v1(-16.475,-77.925)
  Bottom Layer LF-signals w0.125: J301.5@-56.508,-79.53 -18.08,-79.53 v1(-16.475,-77.925)
PC12_AD12: J301.10 U300.23 | length 23
  Top Layer LF-signals w0.125: v1(-42.125,-67) -42.125,-63.15 -39.495,-60.52 U300.23@-38.48,-60.52
  Bottom Layer LF-signals w0.125: J301.10@-56.508,-66.83 -56.488,-66.85 -42.275,-66.85 v1(-42.125,-67)
PC13_AD10: J303.1 U300.21 | length 59.3
  Top Layer LF-signals w0.125: J303.1@-56.508,-21.11 -59.2,-23.802 -59.2,-57.325 -56.575,-59.95 v1(-48.525,-59.95) ; v1(-41.2,-59.95) -40.77,-59.52 U300.21@-38.48,-59.52
  Bottom Layer LF-signals w0.125: v1(-48.525,-59.95) v1(-41.2,-59.95)
PC15_AD11: J303.2 U300.19 | length 62.2
  Top Layer LF-signals w0.125: J303.2@-56.508,-18.57 -54.775,-20.303 -54.775,-22.4 -55.375,-23 -56.725,-23 -58.225,-24.5 -58.225,-56.725 -55.675,-59.275 v1(-48.525,-59.275) ; v1(-41.575,-59.275) -40.525,-59.275 -39.77,-58.52 U300.19@-38.48,-58.52
  Bottom Layer LF-signals w0.125: v1(-48.525,-59.275) v1(-41.575,-59.275)
PC16_PCK0: J300.7 U300.73 | length 44.7
  Top Layer LF-signals w0.125: v1(-24.325,-50.525) -24.32,-50.52 U300.73@-22.97,-50.52
  Bottom Layer LF-signals w0.125: J300.7@-56.508,-38.89 -52.093,-34.475 -36.724,-34.475 -29.937,-41.262 -29.937,-43.588 -26.55,-46.975 -26.55,-49.218 -25.243,-50.525 v1(-24.325,-50.525)
PC17_PCK1: J300.8 U300.75 | length 43.8
  Top Layer LF-signals w0.125: v1(-24.325,-49.875) -23.975,-49.525 -22.975,-49.525 U300.75@-22.97,-49.52
  Bottom Layer LF-signals w0.125: J300.8@-56.508,-36.35 -54.333,-34.175 -36.6,-34.175 -29.637,-41.137 -29.637,-43.413 -26.125,-46.925 -26.125,-49.325 -25.575,-49.875 v1(-24.325,-49.875)
PC18_GPIO: R419.1 U300.78 | length 22.3
  Top Layer LF-signals w0.15: U300.78@-25.725,-47.765 -25.725,-46.1 -18.35,-38.725 v2@-18.35,-32.05
  Bottom Layer LF-signals w0.15: v2(-18.35,-32.075) R419.1@-18.35,-28.5
PC19_GPIO: R418.1 U300.80 | length 22.2
  Top Layer LF-signals w0.15: U300.80@-26.725,-47.765 -26.725,-45.75 -19.625,-38.65 v2(-19.625,-32.075)
  Bottom Layer LF-signals w0.15: v2(-19.625,-32.075) R418.1@-19.625,-28.5
PC20_GPIO: R417.1 U300.82 | length 22.8
  Top Layer LF-signals w0.15: U300.82@-27.725,-47.765 -27.725,-44.575 -24.45,-41.3 -23.225,-41.3 -20.9,-38.975 v2(-20.9,-32.075)
  Bottom Layer LF-signals w0.15: v2(-20.9,-32.075) R417.1@-20.9,-28.5
PC21_GPIO: R416.1 U300.84 | length 22.7
  Top Layer LF-signals w0.15: U300.84@-28.725,-47.765 -28.725,-45.873 -28.725,-45.15 -24.5,-40.925 -23.25,-40.925 -22.175,-39.85 v2(-22.175,-32.075)
  Bottom Layer LF-signals w0.15: v2(-22.175,-32.075) R416.1@-22.175,-28.5
PC22_GPIO: J301.6 U300.86 | length 51.1
  Top Layer LF-signals w0.125: v1@-44.2,-77.075 v1@-44.05,-76.925 ; v1(-44.175,-77.1) -44.175,-58.381 -43.544,-57.75 -40.571,-57.75 -39.852,-57.031 v1(-39.852,-56.603) ; v1(-30.15,-49.175) -29.725,-48.75 U300.86@-29.725,-47.765
  Bottom Layer LF-signals w0.125: J301.6@-56.508,-76.99 -56.423,-77.075 v1@-44.075,-77.075 ; v1(-39.852,-56.603) -39.253,-56.603 -37.2,-54.55 -35.525,-54.55 v1(-30.15,-49.175)
PC23_TIOA3: J200.7@-6.97,-36.35 J301.7 U300.90 | length 100.9
  Top Layer LF-signals w0.125: v3(-31.75,-53.95) v1(-31.75,-49.15) -31.725,-49.125 U300.90@-31.725,-47.765 ; v3(-30.275,-53.95) -28.225,-51.9 v3(-25.725,-51.9) ; v3(-22.05,-47.75) v3(-20.625,-47.75)
  Bottom Layer LF-signals w0.125: J301.7@-56.508,-74.45 -59.1,-71.858 -59.1,-46.875 -57.45,-45.225 -37.075,-45.225 -35.888,-46.412 -35.888,-49.256 -35.631,-49.513 -35.269,-49.513 -34.469,-48.712 -32.594,-48.712 -32.156,-49.15 v1(-31.75,-49.15) ; v3(-31.75,-53.95) v3@-30.3,-53.95 ; v3(-25.725,-51.9) -25.15,-52.475 -24.1,-52.475 -23.4,-51.775 -23.4,-50 -22.575,-49.175 -22.575,-48.275 v3(-22.05,-47.75) ; v3(-20.625,-47.75) -18.37,-47.75 J200.7@-6.97,-36.35
PC24_TIOB3: J200.8@-4.43,-36.35 J301.8 U300.92 | length 95.8
  Top Layer LF-signals w0.125: U300.92@-32.725,-47.765 -32.725,-49.1 v1(-32.775,-49.15) -32.775,-54.275 v3(-31.75,-55.3) ; v3(-30.275,-55.3) -29.825,-54.85 -29.825,-54.05 -28.125,-52.35 v3(-26.5,-52.35) ; v3@-22.025,-48.675 v3(-20.625,-48.675)
  Bottom Layer LF-signals w0.125: J301.8@-56.508,-71.91 -58.8,-69.618 -58.8,-50.3 -58.375,-49.875 -57.425,-49.875 -57.238,-50.063 -45.335,-50.063 -43.91,-48.637 -39.325,-48.637 -38.287,-49.675 -36.105,-49.675 -35.355,-50.425 -34.05,-50.425 v1(-32.775,-49.15) ; v3(-31.75,-55.3) v3(-30.275,-55.3) ; v3(-26.5,-52.35) -26.1,-52.75 -24.05,-52.75 -23.075,-51.775 -23.075,-50.2 -22.05,-49.175 v3(-22.05,-48.675) ; v3(-20.625,-48.675) -18.85,-48.675 -7.825,-37.65 -5.73,-37.65 J200.8@-4.43,-36.35
PC25_TCLK3: J300.4 U300.94 | length 26
  Top Layer LF-signals w0.125: v1(-33.75,-49.15) -33.725,-49.125 U300.94@-33.725,-47.765
  Bottom Layer LF-signals w0.125: J300.4@-56.508,-46.51 -55.293,-47.725 -45.175,-47.725 -44.625,-48.275 -39.325,-48.275 -38.15,-49.45 -36.012,-49.45 -35.437,-50.025 -34.625,-50.025 v1(-33.75,-49.15)
PC26_TIOA4: J201.7@-6.97,-71.91 U300.13 | length 63.2
  Top Layer LF-signals w0.125: v1(-43.675,-60.425) -43.675,-72.25 v1(-43.575,-72.35) ; U300.13@-38.48,-55.52 -36.395,-55.52 v1(-36.375,-55.5)
  Bottom Layer LF-signals w0.125: v1(-43.675,-60.425) -40.675,-60.425 -40.075,-59.825 -40.075,-58.2 -37.375,-55.5 v1(-36.375,-55.5) ; v1(-43.575,-72.35) -41.075,-74.85 -22.45,-74.85 -19.51,-71.91 J201.7@-6.97,-71.91
PC27_TIOB4: J201.8@-4.43,-71.91 U300.17 | length 59
  Top Layer LF-signals w0.125: v1(-43.175,-71.225) -43.175,-59.8 -42.212,-58.837 -40.483,-58.837 -39.165,-57.52 U300.17@-38.48,-57.52
  Bottom Layer LF-signals w0.125: v1(-43.175,-71.225) -40.1,-74.3 -23.7,-74.3 -20.15,-70.75 -5.59,-70.75 J201.8@-4.43,-71.91
PC28_TCLK4: J300.5 U300.54 | length 52.7
  Top Layer LF-signals w0.125: J300.5@-56.508,-43.97 -54.405,-43.97 -46.45,-51.925 v1(-46.45,-60.4) ; v1(-24.65,-60.55) -24.12,-60.02 U300.54@-22.97,-60.02
  Bottom Layer LF-signals w0.125: v1(-46.45,-60.4) -47.95,-60.4 -48.5,-60.95 -48.5,-62.175 -48.225,-62.45 -39.675,-62.45 -37.75,-60.525 -36.75,-60.525 -35.85,-59.625 -25.575,-59.625 v1(-24.65,-60.55)
PC29_AD13: J202.3@-21.11,-93.03 U300.4 | length 77.4
  Top Layer LF-signals w0.125: v1(-39.85,-87.7) v1(-39.85,-71.175) ; U300.4@-38.48,-51.02 -36.48,-51.02 v1(-36.475,-51.025)
  Bottom Layer LF-signals w0.125: v1(-39.85,-87.7) -26.44,-87.7 J202.3@-21.11,-93.03 ; v1(-39.85,-71.175) -39.85,-70.2 -40.1,-69.95 -40.1,-66.414 -42.214,-64.3 -47.325,-64.3 -49.225,-62.4 -49.225,-58.875 -48.875,-58.525 -48.111,-58.525 -47.586,-59.05 -43.05,-59.05 -38.325,-54.325 -37.075,-54.325 -35.65,-52.9 -35.65,-51.85 v1(-36.475,-51.025)
PC30_AD14: J202.4@-21.11,-95.57 U300.6 | length 78.8
  Top Layer LF-signals w0.125: v1(-40.325,-70.6) -40.325,-87.938 v1(-39.85,-88.413) ; U300.6@-38.48,-52.02 -36.98,-52.02 -36.775,-52.225 -36.275,-52.225 v1(-36.225,-52.175)
  Bottom Layer LF-signals w0.125: v1(-40.325,-70.6) -40.325,-66.507 -42.307,-64.525 -47.418,-64.525 -49.45,-62.493 -49.45,-58.782 -48.968,-58.3 -48.018,-58.3 -47.493,-58.825 -43.175,-58.825 -38.425,-54.075 -37.206,-54.075 -36.225,-53.094 v1(-36.225,-52.175) ; v1(-39.85,-88.413) -26.238,-88.413 -22.4,-92.25 -22.4,-94.28 J202.4@-21.11,-95.57
PC31_TCLK5: J300.6 U300.8 | length 30.7
  Top Layer LF-signals w0.125: v1(-57.55,-50.375) -57.925,-50 -57.925,-42.847 J300.6@-56.508,-41.43 ; v1(-43.175,-51.125) -40.15,-51.125 -39.8,-51.475 -39.8,-52.85 -39.63,-53.02 U300.8@-38.48,-53.02
  Bottom Layer LF-signals w0.125: v1(-57.55,-50.375) -57.525,-50.4 -55.65,-50.4 -54.925,-51.125 v1(-43.175,-51.125)